# Altium PCB ETRX_Shield_III.PcbDoc (part 1 of 2)
Units mm, origin at the board's own origin, x right, y up, seen from the top; angles counter-clockwise.
Board outline 70 x 55 mm, 4 copper layers (Top Layer, GND1, PWR1, Bottom Layer), stack 1.306 mm thick; 113 components, 118 nets, 458 pads, 149 vias.
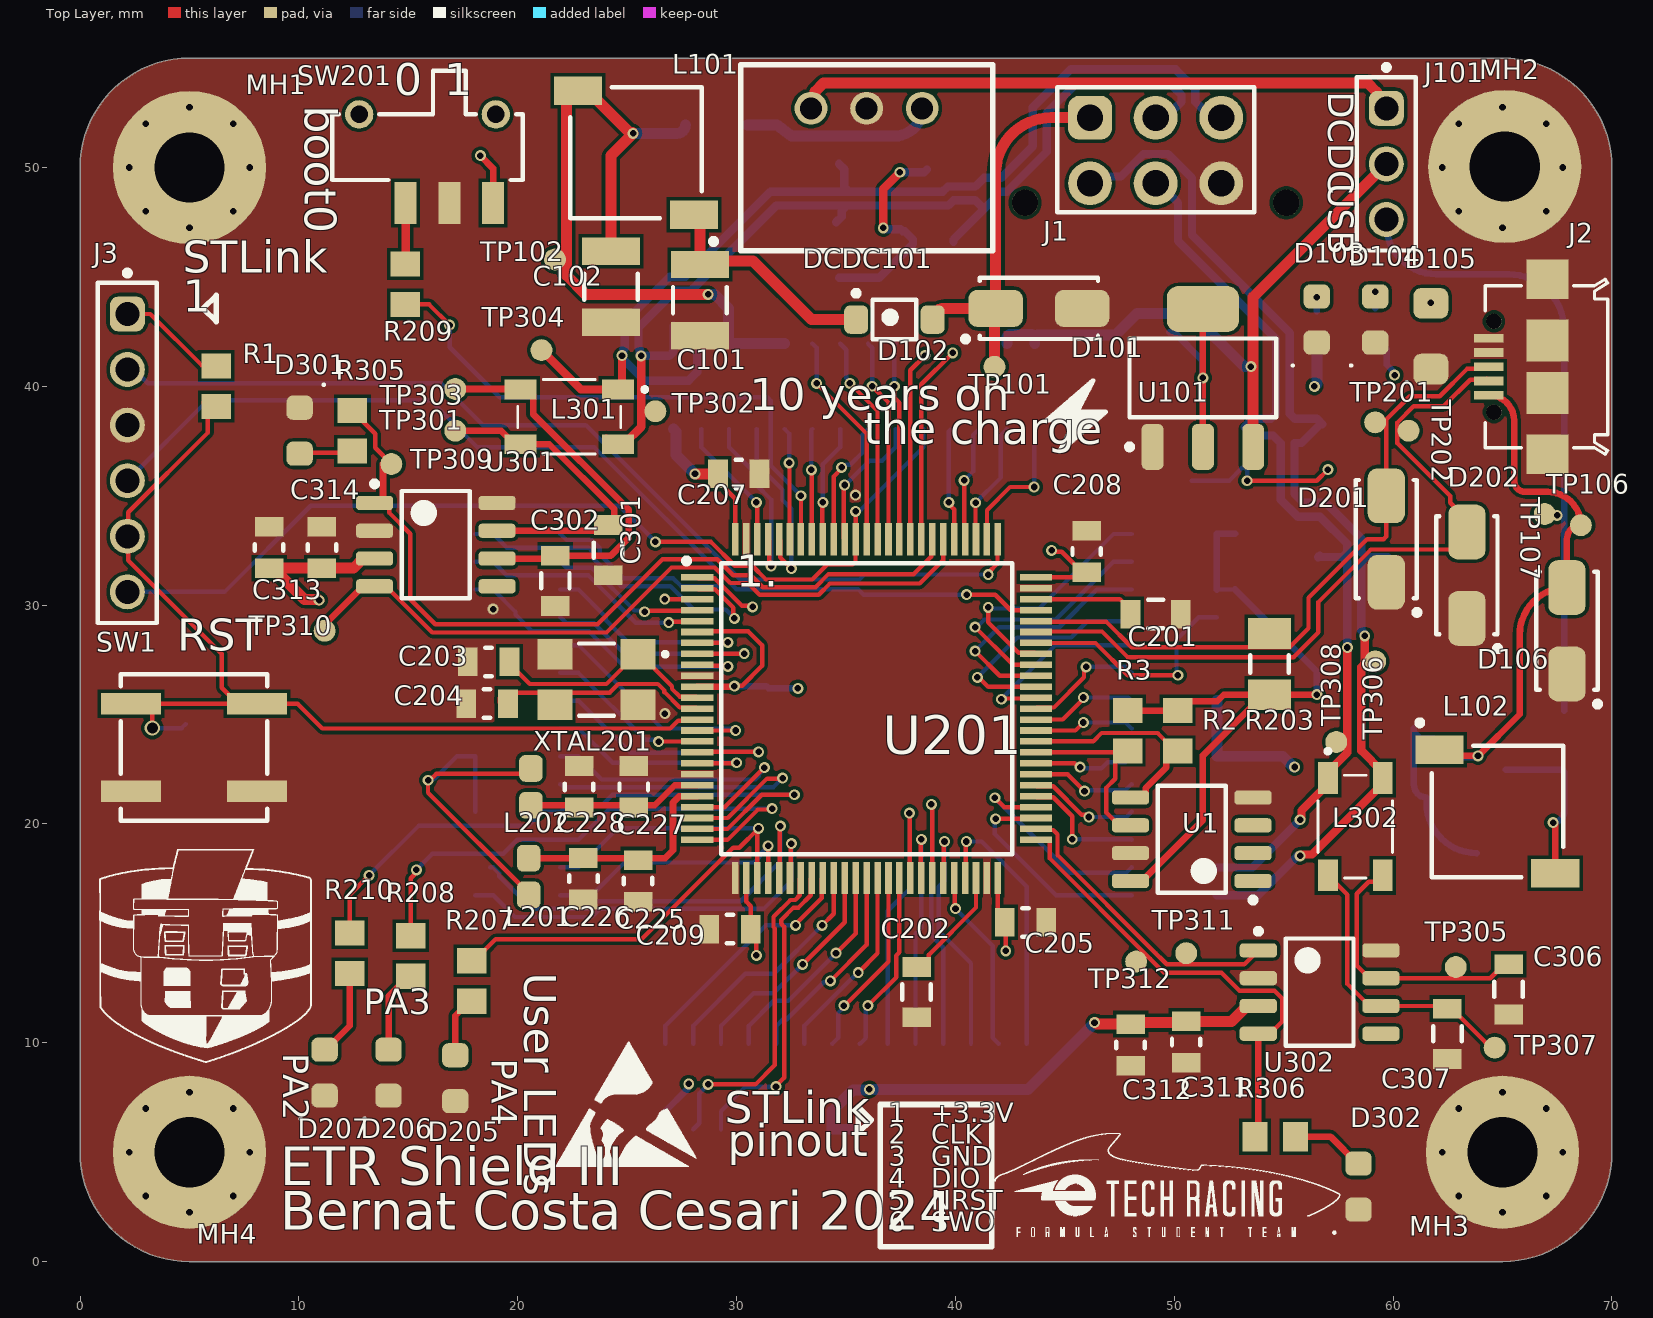
[diagram p0: Top Layer view]
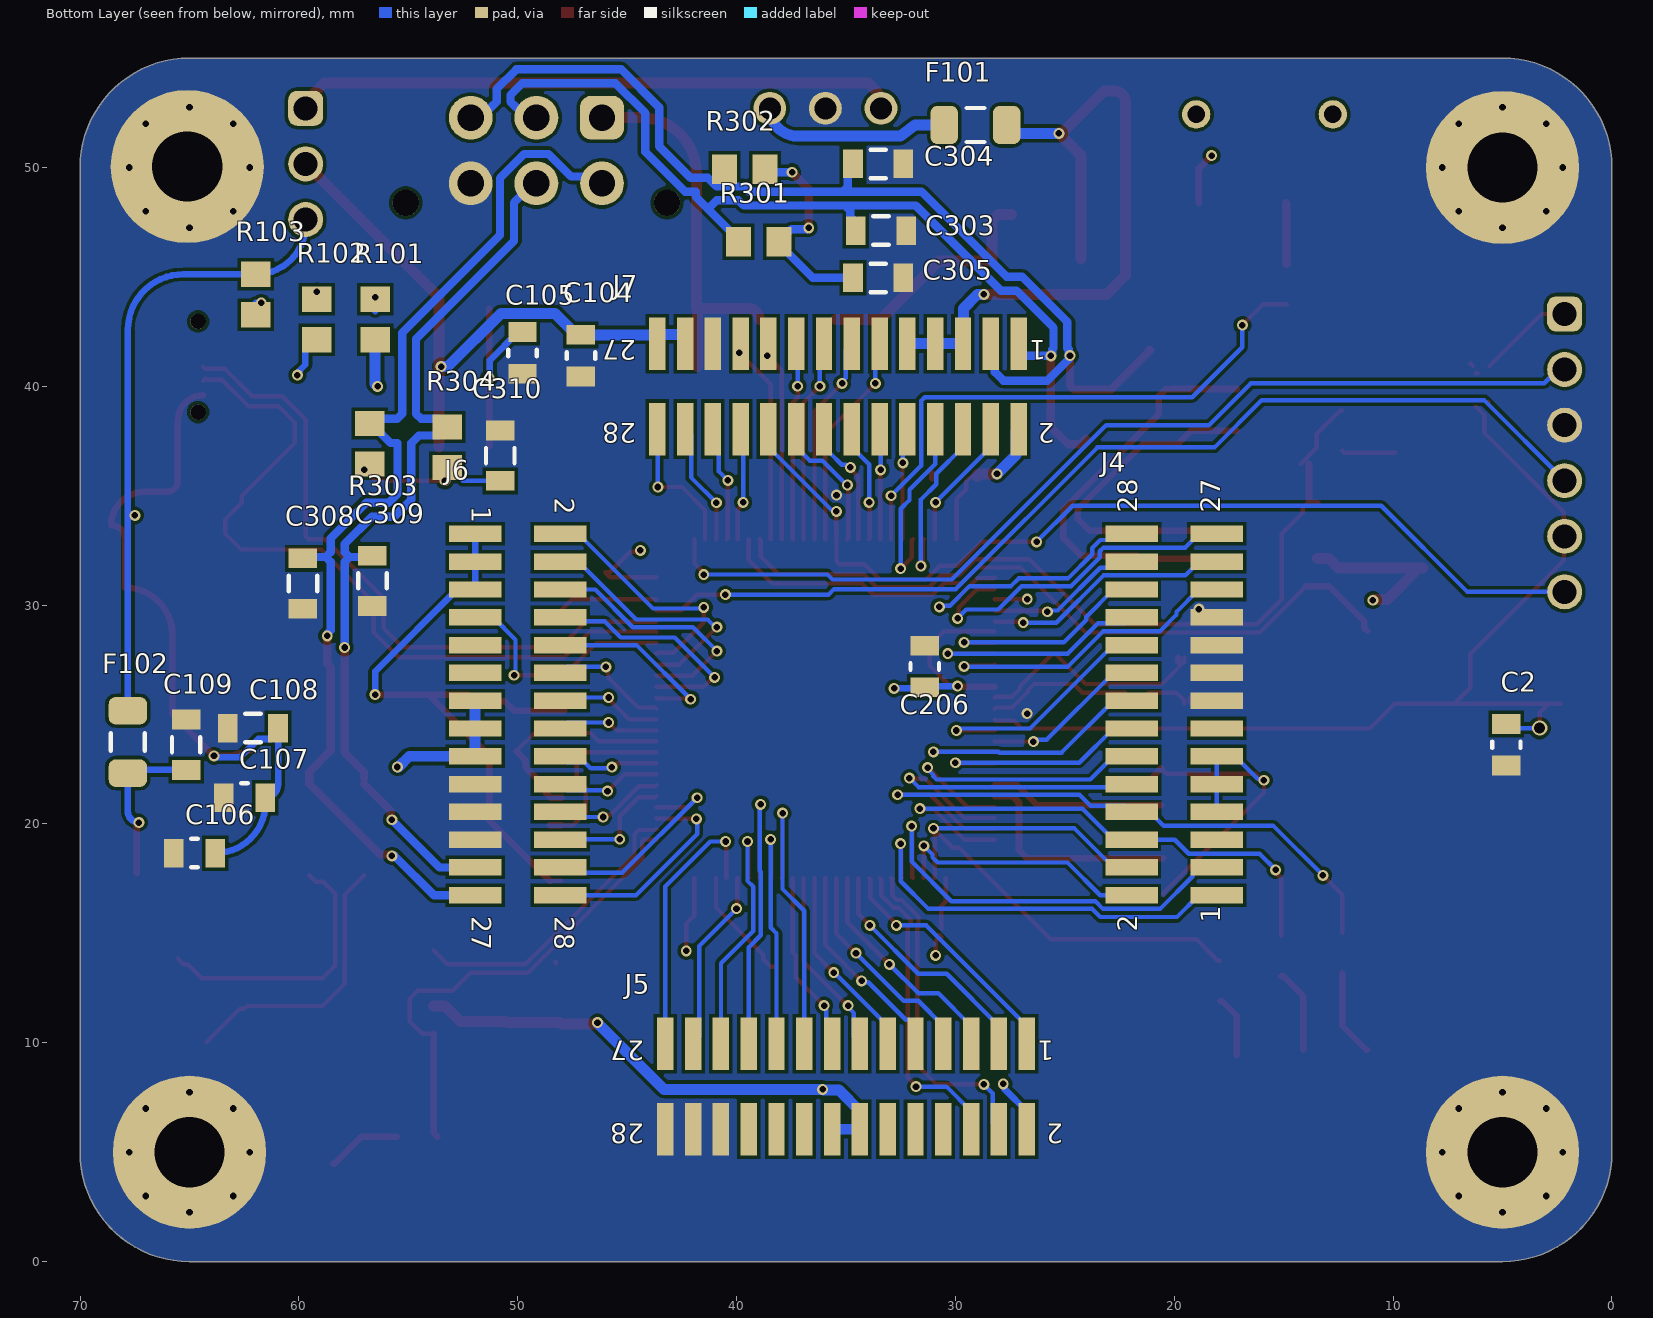
[diagram p1: Bottom Layer view, seen from below]
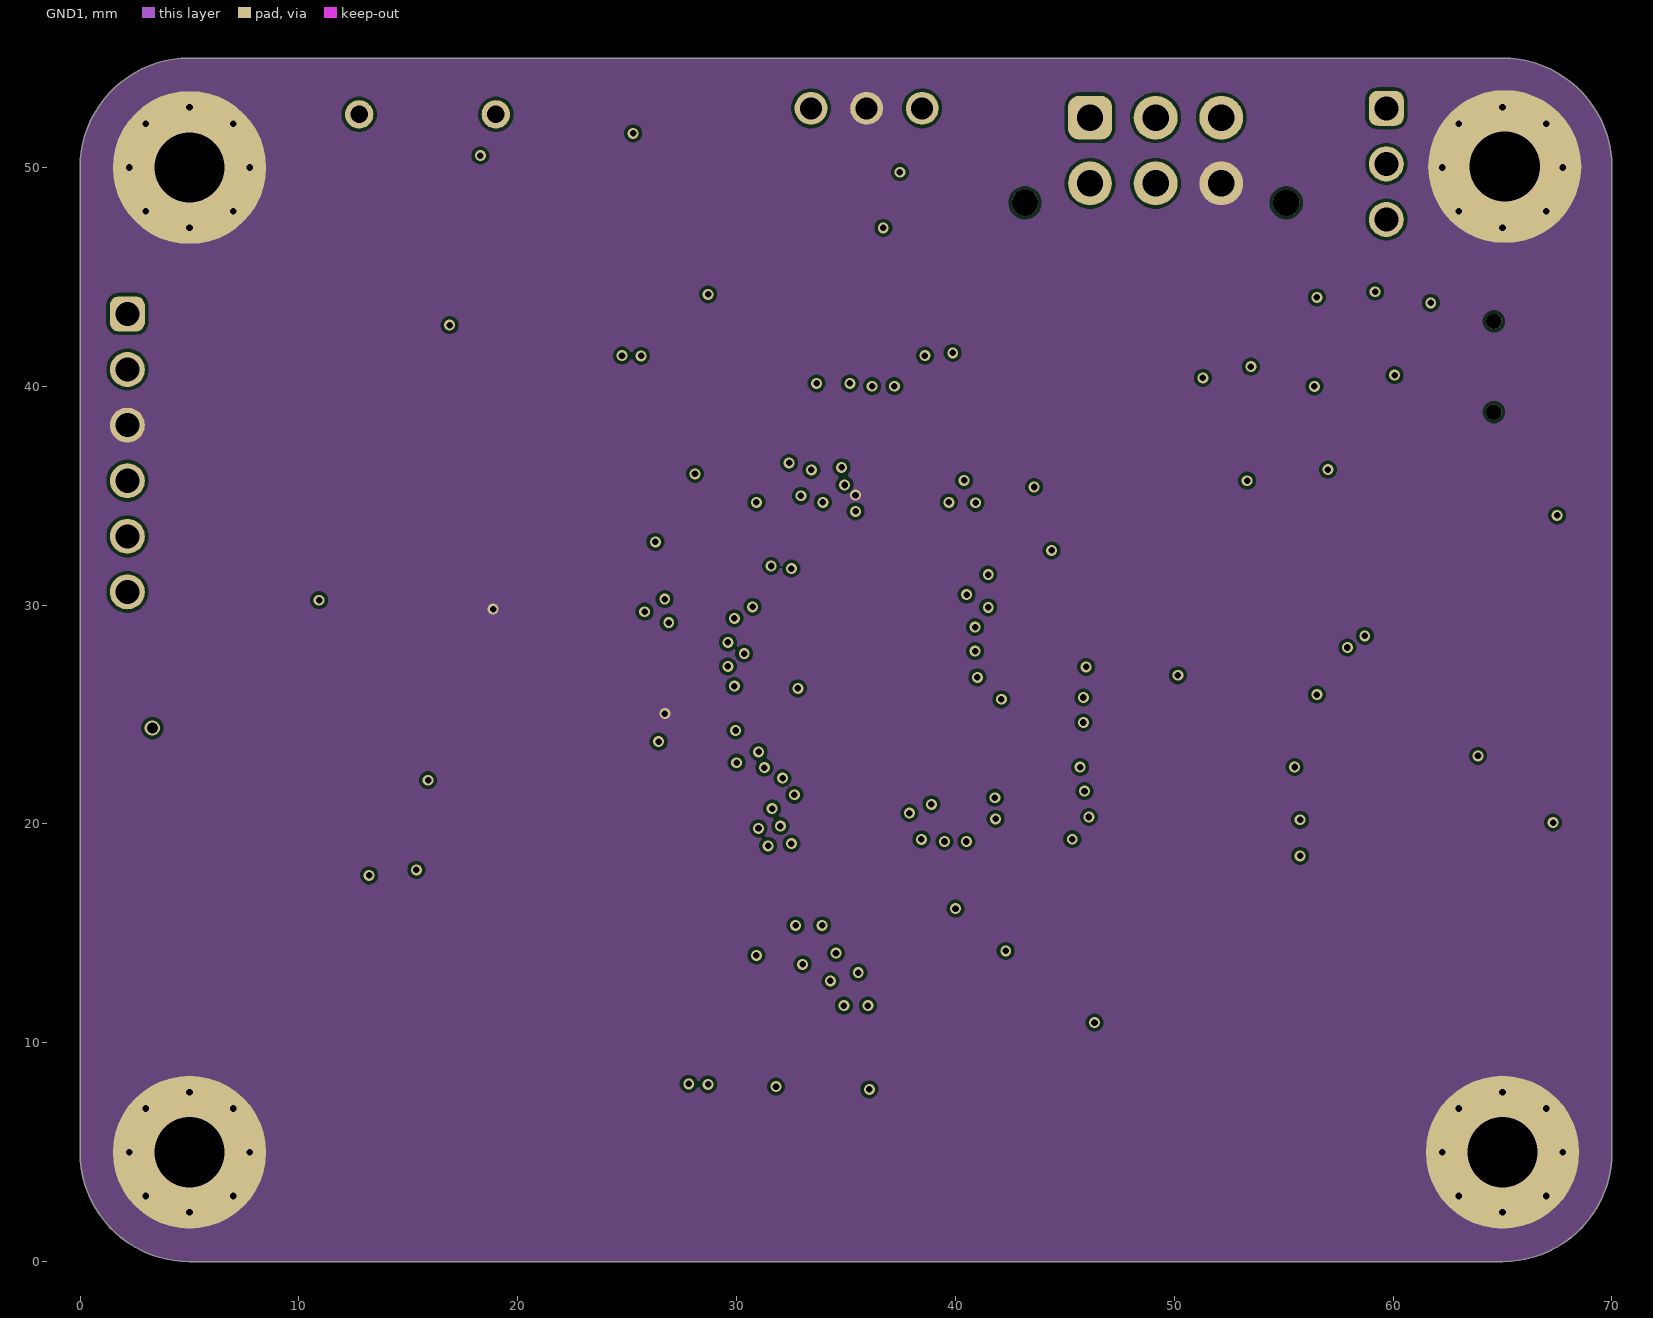
[diagram p2: GND1]
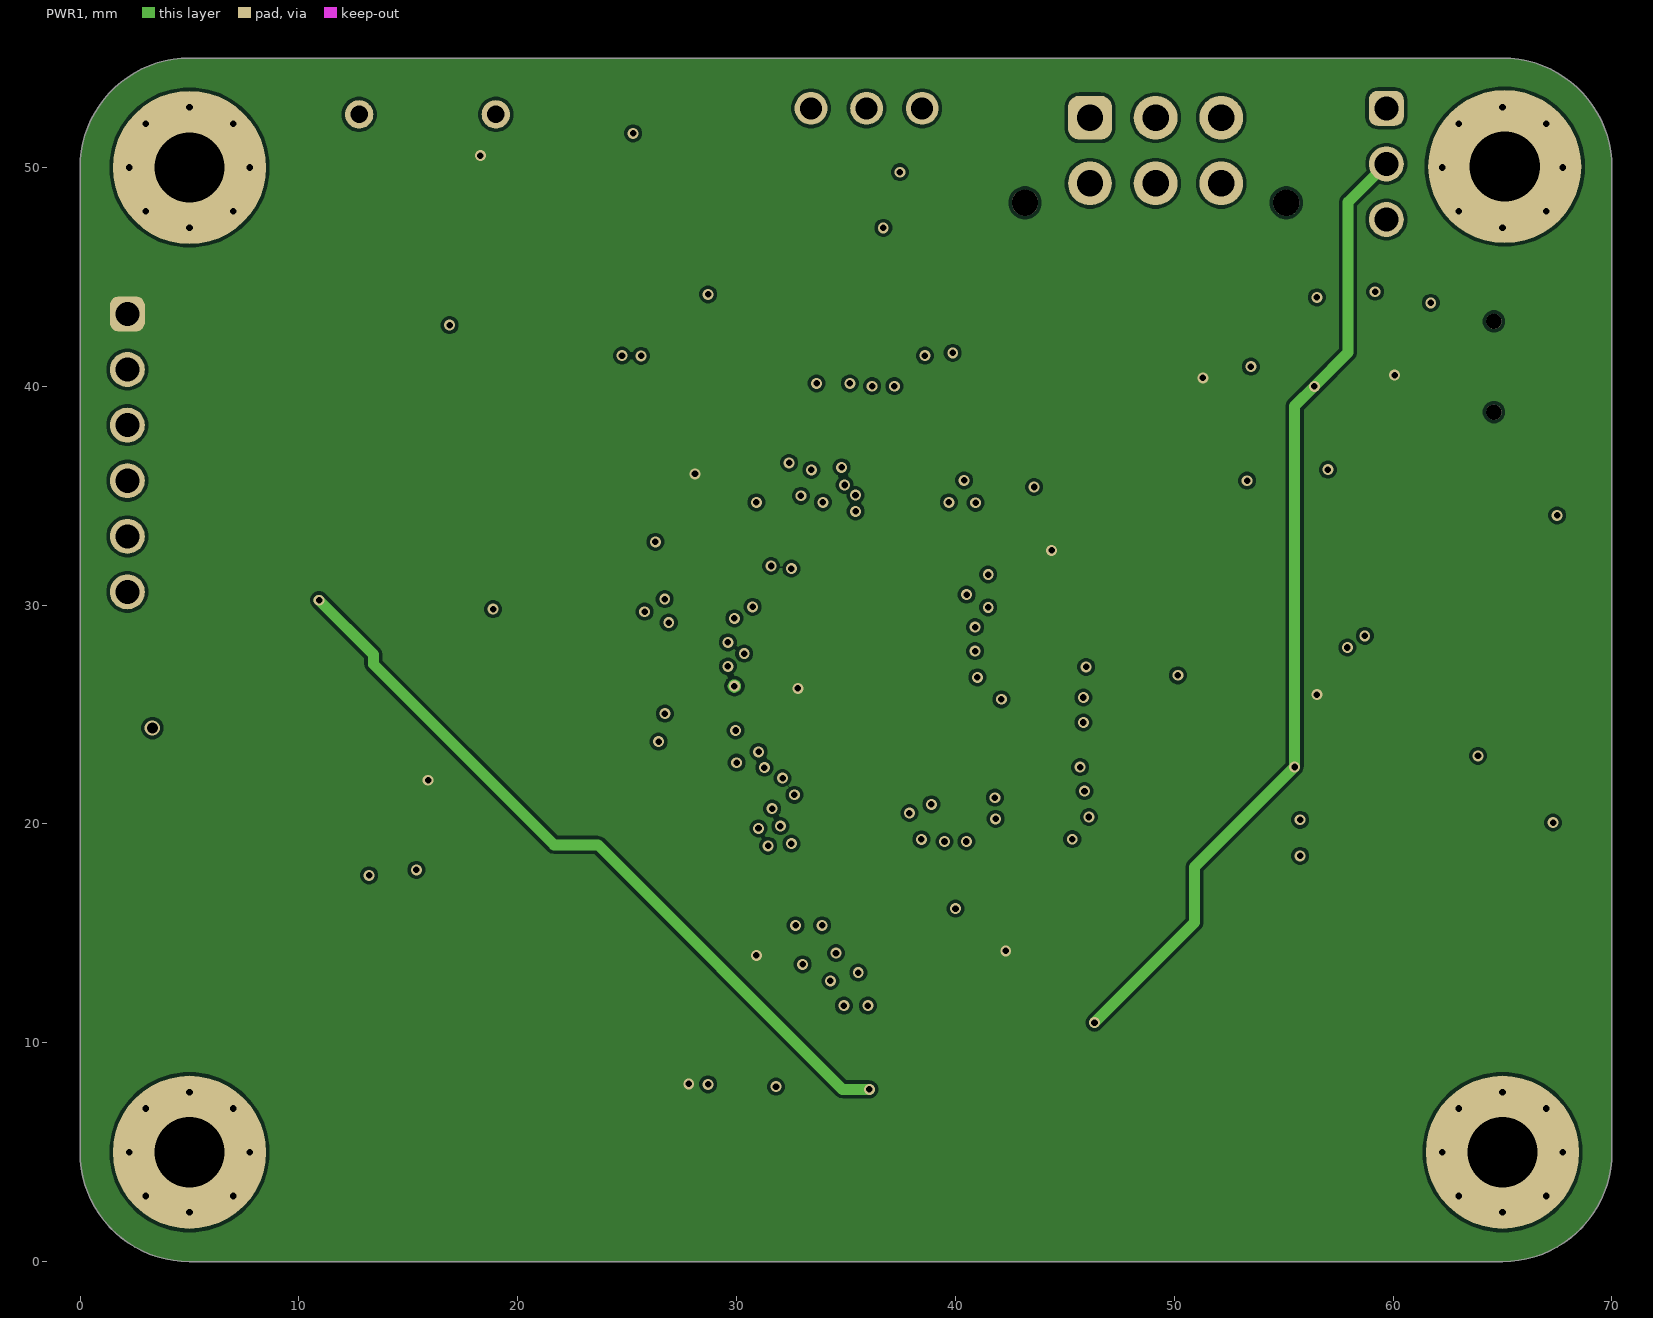
[diagram p3: PWR1]
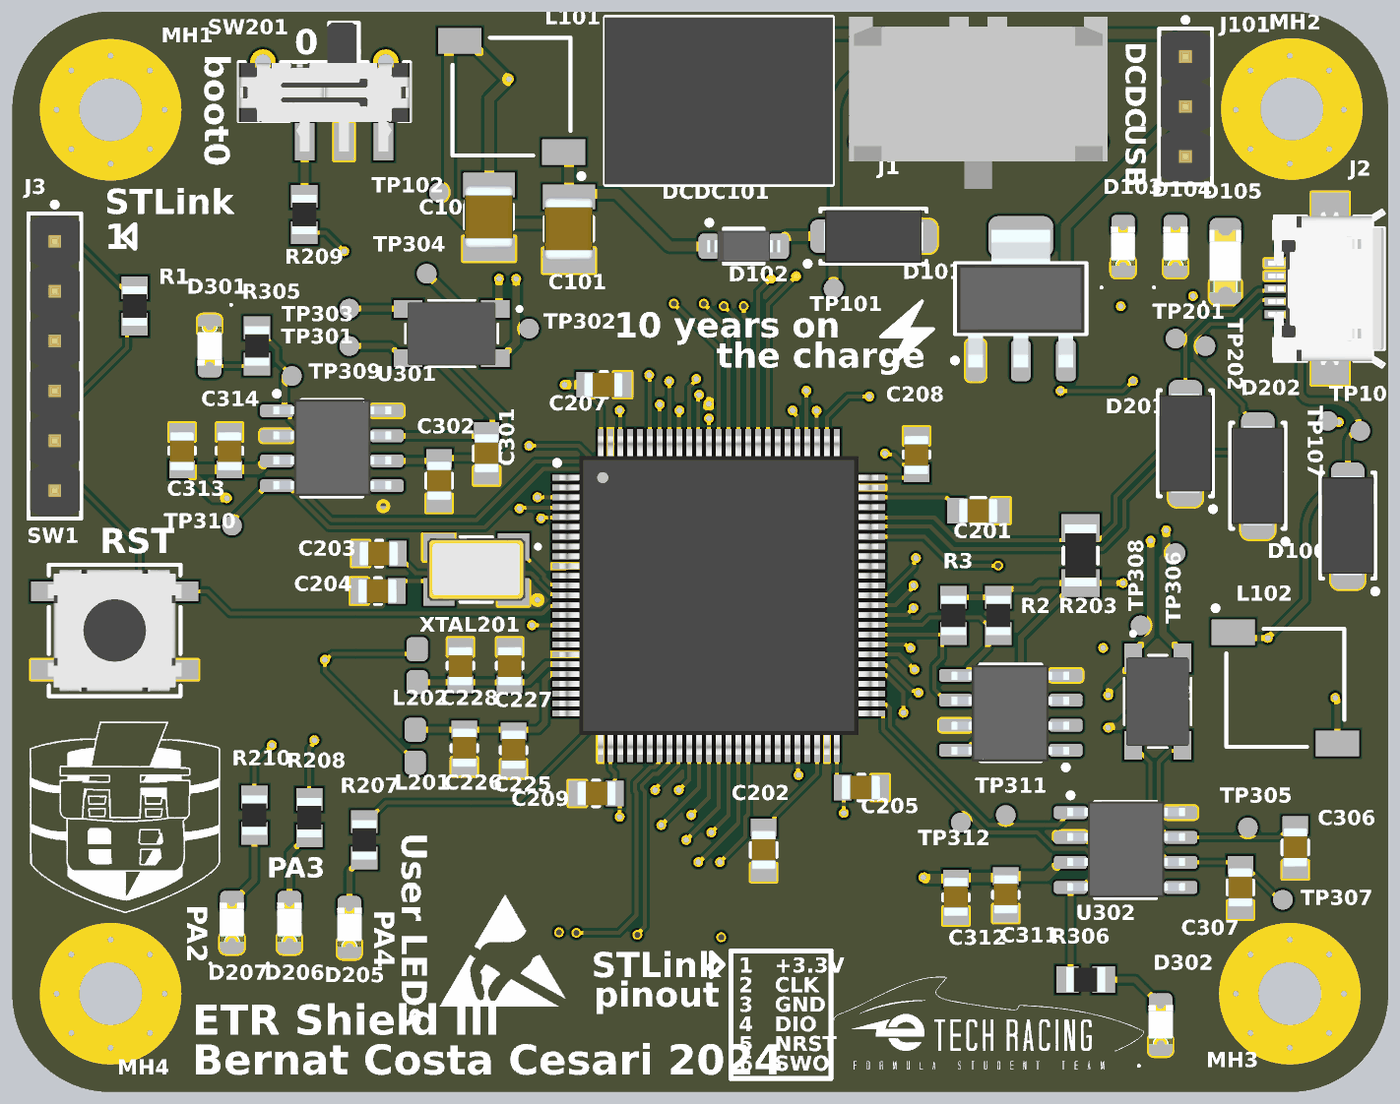
[diagram p5: 3D render of the assembled board from above, using the file's embedded part models]
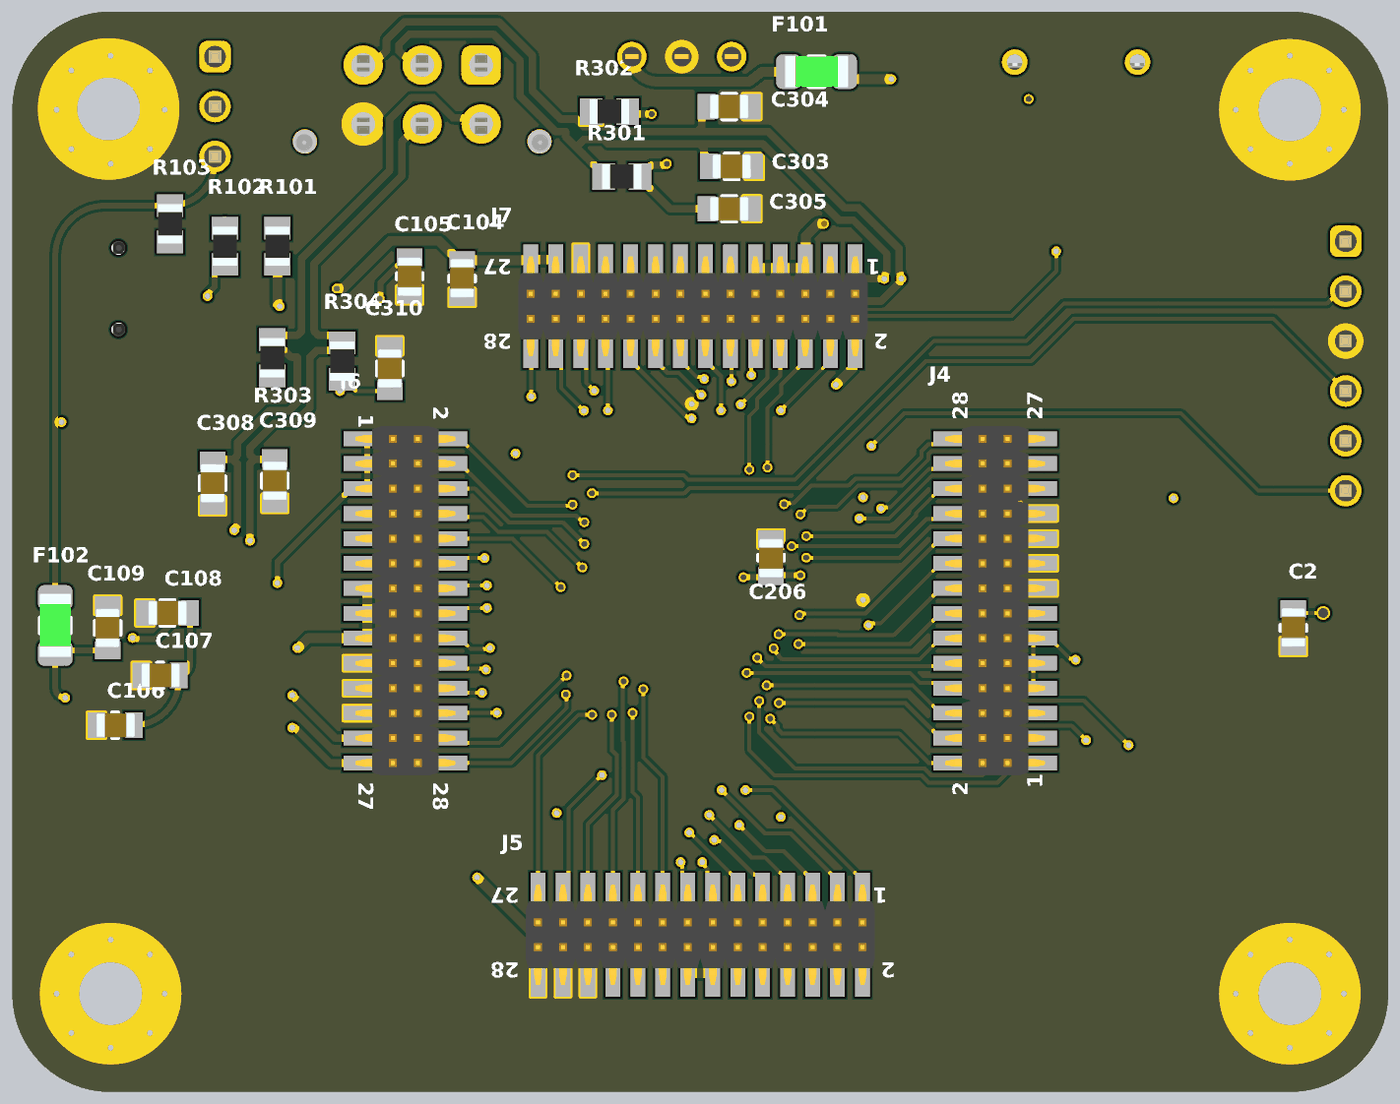
[diagram p6: 3D render of the assembled board from below, using the file's embedded part models]

## Layer stack, top to bottom
Top Solder: solder mask 0.01, Solder Resist, Dk 3.5
Top Layer: signal copper 0.036
Dielectric 2: prepreg 0.1, PP-006, Dk 4.1
GND1: signal copper 0.017
Dielectric 1: dielectric 1, FR-4, Dk 4.8
PWR1: signal copper 0.017
Dielectric 3: prepreg 0.1, PP-006, Dk 4.1
Bottom Layer: signal copper 0.036
Bottom Solder: solder mask 0.01, Solder Resist, Dk 3.5

## Board outline
0,5 0,50 cw(c5,50) 5,55 65,55 cw(c65,50) 70,50 70,5 cw(c65,5) 65,0 5,0 cw(c5,5)

## Design rules (kind name [scope] priority, off if disabled: settings)
Clearance [All] p1: gap=0.15 ignorepadtopadclearanceinfootprint=TRUE
DiffPairsRouting [All] p1: maxlimit=0.254 minlimit=0.254 mostfreqgap=0.254 toplayer_minwidth=0.2 toplayer_maxwidth=0.381 toplayer_prefwidth=0.381 midlayer1_minwidth=0.381 midlayer1_maxwidth=0.381 midlayer1_prefwidth=0.381 midlayer2_minwidth=0.381 midlayer2_maxwidth=0.381 midlayer2_prefwidth=0.381 bottomlayer_minwidth=0.381 bottomlayer_maxwidth=0.381 bottomlayer_prefwidth=0.381 maxuncoupledlength=12.7
HoleToHoleClearance [All] p1: gap=0.15 allowstackedmicrovias=TRUE
MinimumSolderMaskSliver [All] p1: minsoldermaskwidth=0.15
PlaneConnect [All] p1: planeconnectstyle=Direct reliefexpansion=0.508 reliefentries=4 reliefconductorwidth=0.254 reliefairgap=0.254
PolygonConnect [All] p1: connectstyle=Direct reliefconductorwidth=0.254 reliefentries=4 polygonreliefangle="90 Angle" airgapwidth=0.254
RoutingVias [All] p1: holewidth=0.5 width=0.7 viastyle="Through Hole" minholewidth=0.3 minwidth=0.5 maxholewidth=1 maxwidth=1.27
SilkToSilkClearance [All] p1: silktosilkclearance=0.15
SilkToSolderMaskClearance [IsPad] p1: minsilkscreentomaskgap=0.15 clearancetoexposedcopper=TRUE
SolderMaskExpansion [All] p1: expansion=0.102 istentingtop=FALSE
Width [All] p1: maxlimit=1 minlimit=0.2 preferedwidth=0.2 minimp=50.000000 maximp=50.000000 favimp=50.000000
24 further rules are at their usual default settings.

## Classes and differential pairs
component class ETRX_Shield: C2 J1 J2 J3 J4 J5 J6 J7 MH1 MH2 MH3 MH4 R1 R2 R3 SW1 U1
component class "[3] CAN": C301 C302 C303 C304 C305 C306 C307 C308 C309 C310 C311 C312 C313 C314 D301 D302 L301 L302 R301 R302 R303 R304 R305 R306 TP301 TP302 TP303 TP304 TP305 TP306 TP307 TP308 TP309 TP310 TP311 TP312 U301 U302
component class "[2] MCU": C201 C202 C203 C204 C205 C206 C207 C208 C209 C225 C226 C227 C228 D201 D202 D205 D206 D207 L201 L202 R203 R207 R208 R209 R210 SW201 TP201 TP202 U201 XTAL201
component class "[1] Supply": C101 C102 C104 C105 C106 C107 C108 C109 D101 D102 D103 D104 D105 D106 DCDC101 F101 F102 J101 L101 L102 R101 R102 R103 TP101 TP102 TP106 TP107 U101
differential pair USB_OTG: +USB_OTG_H -USB_OTG_L
differential pair CAN2: +CAN2_H -CAN2_L
differential pair CAN1: +CAN1_H -CAN1_L
